# Altium PCB DIOT_8ch_isoSPI1.PcbDoc (part 5 of 5)
Units mm, origin at the board's own origin, x right, y up, seen from the top; angles counter-clockwise.
Board outline 222.37 x 100 mm, 4 copper layers (L1, P2, P3, L4), stack 1.512 mm thick; 416 components, 332 nets, 1541 pads, 695 vias.
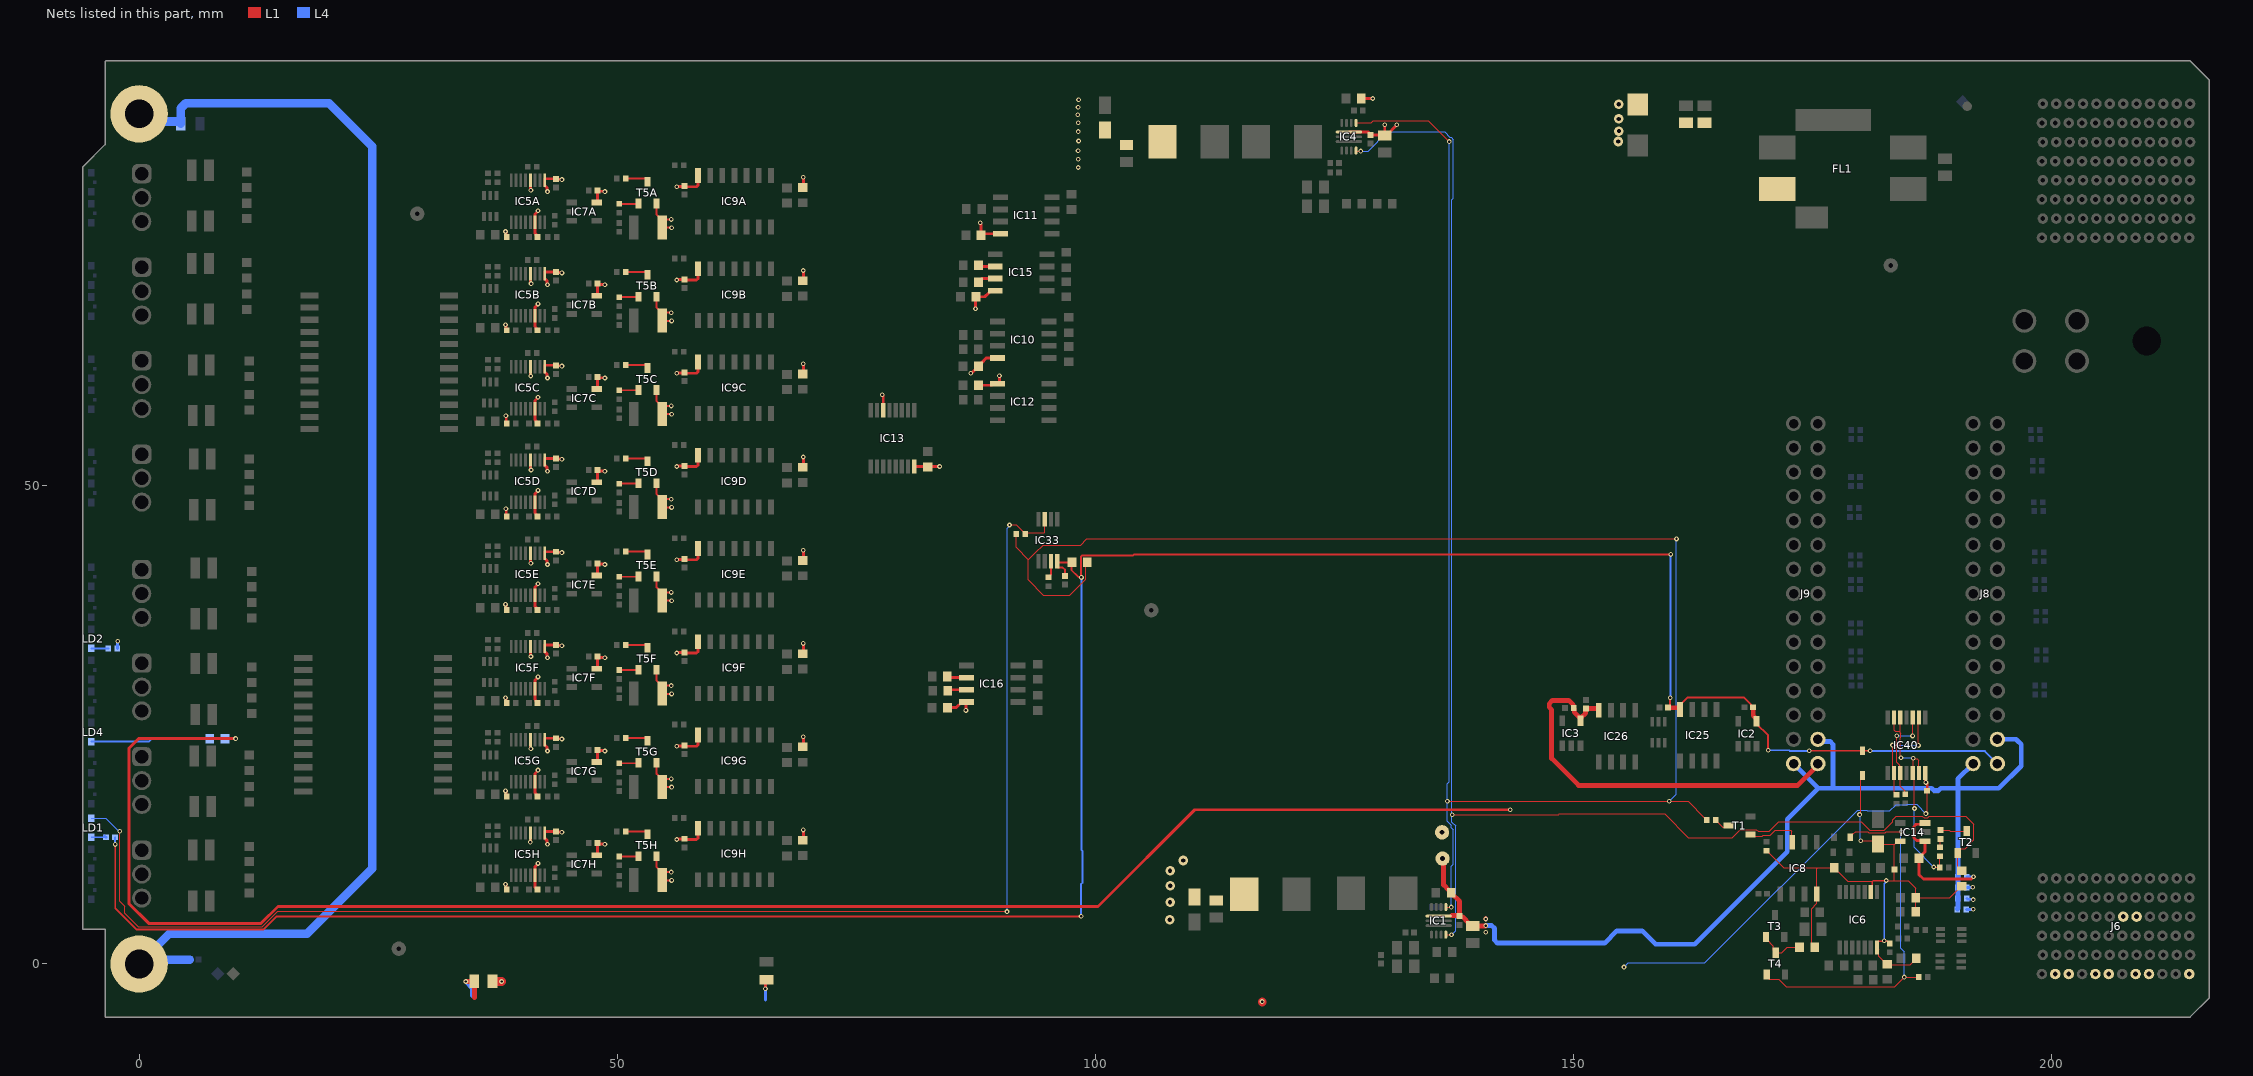
[diagram p7: the nets of this part, all layers, seen from the top]

## Via types
v1: diameter 0.5, hole 0.25, L1 to L4, tented both sides, 669 vias
v2: diameter 1, hole 0.45, L1 to L4, tented both sides, 26 vias

## Nets (pads, with @x,y where several pads share a name; then routed paths per layer and width w, separated by ;. In a path a pad name is that pad's centre, name@x,y a point inside that pad or via, vN(x,y) a via of type N, cw(c..) or ccw(c..) an arc to the next point about the centre after c; other vN are vias at no path point) (continued)
NetIC15_6: IC15.6 R44.2 | length 1.8
  L1 w0.3: R44.2@87.766,73.058 87.881,72.943 IC15.6@89.516,72.943
NetIC15_7: IC15.7 R41.2 | length 1.9
  L1 w0.3: R41.2@87.766,71.308 87.766,71.358 88.081,71.673 IC15.7@89.516,71.673
NetIC16_6: IC16.6 R49.2 | length 2
  L1 w0.3: R49.2@84.516,30.058 84.631,29.943 IC16.6@86.516,29.943
NetIC16_7: IC16.7 R47.2 | length 2
  L1 w0.3: R47.2@84.566,28.558 84.681,28.673 IC16.7@86.516,28.673
NetIC33_3: IC33.3 LD1.1 R188.1 | length 151.9
  L1 w0.125: v1(-2.027,13.871) -2.027,6.547 -1.5,6.02 -1.5,5.323 -0.087,3.91 12.891,3.91 14.48,5.5 90.723,5.5 v1(90.75,5.473) ; v1(91.007,45.907) 91.725,45.907 92.645,44.987 R188.1@92.645,44.967 92.747,45.069 94.618,45.069 94.692,45.142 IC33.3@94.692,46.507
  L4 w0.125: LD1.1@-5,15.25 -3.5,15.25 -2.121,13.871 v1(-2.027,13.871) ; v1(90.75,5.473) 90.75,45.549 91.02,45.818 v1@91.02,45.894
NetIC33_7: IC33.7 R194.2 | length 1.8
  L1 w0.2: R194.2@95.071,40.459 95.091,40.459 95.342,40.71 IC33.7@95.342,42.107
NetLD1_2: LD1.2 R186.1 | length 1.7
  L4 w0.15: LD1.2@-5,13.25 R186.1@-3.47,13.25
  L4 w0.3: R186.1@-3.61,13.39 R186.1@-3.47,13.25
NetLD2_2: LD2.2 R57.1 | length 1.8
  L4 w0.2: LD2.2@-5,33 R57.1@-3.22,33
NetLD4_2: LD4.2 R224.1 | length 12.5
  L4 w0.2: LD4.2@-5,23.25 0.979,23.25 1.3,23.571 R224.1@7.379,23.571
NetR1_1: R1.1 T2.3 | length 2.8
  L1 w0.125: R1.1@188.366,14.008 189.275,14.008 189.382,13.901 T2.3@191.11,13.901
NetR1_2: R1.2 R55.1 | length 0.9
  L1 w0.125: R55.1@188.316,12.205 188.316,13.017 R1.2@188.366,13.068
NetR4_1: R4.1 T3.1 T4.3 | length 4.8
  L1 w0.125: T3.1@170.119,2.812 170.119,2.612 170.883,1.849 170.883,1.438 T4.3@171.145,1.175 171.787,1.175 172.339,1.727 R4.1@173.622,1.727
NetR20A_1: R20A.1 T5A.1 | length 2
  L1 w0.2: R20A.1@50.204,79.49 52.174,79.49 T5A.1@52.204,79.52
NetR20B_1: R20B.1 T5B.1 | length 2
  L1 w0.2: R20B.1@50.204,69.74 52.174,69.74 T5B.1@52.204,69.77
NetR20C_1: R20C.1 T5C.1 | length 2
  L1 w0.2: R20C.1@50.204,59.99 52.174,59.99 T5C.1@52.204,60.02
NetR20D_1: R20D.1 T5D.1 | length 2
  L1 w0.2: R20D.1@50.204,50.24 52.174,50.24 T5D.1@52.204,50.27
NetR20E_1: R20E.1 T5E.1 | length 2
  L1 w0.2: R20E.1@50.204,40.49 52.174,40.49 T5E.1@52.204,40.52
NetR20F_1: R20F.1 T5F.1 | length 2
  L1 w0.2: R20F.1@50.204,30.74 52.174,30.74 T5F.1@52.204,30.77
NetR20G_1: R20G.1 T5G.1 | length 2
  L1 w0.2: R20G.1@50.204,20.99 52.174,20.99 T5G.1@52.204,21.02
NetR20H_1: R20H.1 T5H.1 | length 2
  L1 w0.2: R20H.1@50.204,11.24 52.174,11.24 T5H.1@52.204,11.27
NetR21A_2: R21A.2 T5A.3 | length 2.5
  L1 w0.2: R21A.2@50.888,82.123 52.954,82.123 53.154,81.923 T5A.3@53.154,81.82
NetR21B_2: R21B.2 T5B.3 | length 2.5
  L1 w0.2: R21B.2@50.888,72.373 52.954,72.373 53.154,72.173 T5B.3@53.154,72.07
NetR21C_2: R21C.2 T5C.3 | length 2.5
  L1 w0.2: R21C.2@50.888,62.623 52.954,62.623 53.154,62.423 T5C.3@53.154,62.32
NetR21D_2: R21D.2 T5D.3 | length 2.5
  L1 w0.2: R21D.2@50.888,52.873 52.954,52.873 53.154,52.673 T5D.3@53.154,52.57
NetR21E_2: R21E.2 T5E.3 | length 2.5
  L1 w0.2: R21E.2@50.888,43.123 52.954,43.123 53.154,42.923 T5E.3@53.154,42.82
NetR21F_2: R21F.2 T5F.3 | length 2.5
  L1 w0.2: R21F.2@50.888,33.373 52.954,33.373 53.154,33.173 T5F.3@53.154,33.07
NetR21G_2: R21G.2 T5G.3 | length 2.5
  L1 w0.2: R21G.2@50.888,23.623 52.954,23.623 53.154,23.423 T5G.3@53.154,23.32
NetR21H_2: R21H.2 T5H.3 | length 2.5
  L1 w0.2: R21H.2@50.888,13.873 52.954,13.873 53.154,13.673 T5H.3@53.154,13.57
NetR33_1: R33.1 T1.3 | length 1.7
  L1 w0.125: R33.1@164.859,15.062 164.859,15.042 165.592,14.309 165.923,14.309 166.092,14.478 T1.3@166.211,14.478
P3V3: B4.1 C15A.2 C15B.2 C15C.2 C15D.2 C15E.2 C15F.2 C15G.2 C15H.2 C16A.2 C16B.2 C16C.2 C16D.2 C16E.2 C16F.2 C16G.2 C16H.2 C17A.2 C17B.2 C17C.2 C17D.2 C17E.2 C17F.2 C17G.2 C17H.2 C19.1 C20.1 C21.2 C22.1 C23.2 C24.1 C26A.2 C26B.2 C26C.2 C26D.2 C26E.2 C26F.2 C26G.2 C26H.2 C84.2 C85.1 C298.2 IC5A.6 IC5A.9 IC5A.12 IC5B.6 IC5B.9 IC5B.12 IC5C.6 IC5C.9 IC5C.12 IC5D.6 IC5D.9 IC5D.12 IC5E.6 IC5E.9 IC5E.12 IC5F.6 IC5F.9 IC5F.12 IC5G.6 IC5G.9 IC5G.12 IC5H.6 IC5H.9 IC5H.12 IC7A.5 IC7B.5 IC7C.5 IC7D.5 IC7E.5 IC7F.5 IC7G.5 IC7H.5 IC9A.14 IC9B.14 IC9C.14 IC9D.14 IC9E.14 IC9F.14 IC9G.14 IC9H.14 IC10.8 IC11.8 IC12.1 IC13.6 IC13.16 IC15.8 IC16.8 IC40.14 L3.2 R17A.2 R17B.2 R17C.2 R17D.2 R17E.2 R17F.2 R17G.2 R17H.2 R23A.2 R23B.2 R23C.2 R23D.2 R23E.2 R23F.2 R23G.2 R23H.2 R57.2 | length 184
  L1 w0.125: v1(186.842,15.723) 186.842,15.824 186.977,15.958 C298.2@186.977,18.11
  L1 w0.3: v1(38.306,8.347) 38.344,8.309 38.344,7.88 R17H.2@38.454,7.77 ; v1(38.306,18.097) 38.344,18.059 38.344,17.63 R17G.2@38.454,17.52 ; v1(38.306,27.847) 38.344,27.809 38.344,27.38 R17F.2@38.454,27.27 ; v1(38.306,37.597) 38.344,37.559 38.344,37.13 R17E.2@38.454,37.02 ; v1(38.306,66.847) 38.344,66.809 38.344,66.38 R17B.2@38.454,66.27 ; v1(38.306,76.597) 38.344,76.559 38.344,76.13 R17A.2@38.454,76.02 ; v1(38.348,47.6) 38.387,47.561 38.387,46.837 R17D.2@38.454,46.77 ; v1(38.348,57.328) 38.387,57.29 38.387,56.587 R17C.2@38.454,56.52 ; R17H.2@38.422,7.802 R17H.2@38.454,7.77 ; R17G.2@38.422,17.552 R17G.2@38.454,17.52 ; R17F.2@38.422,27.302 R17F.2@38.454,27.27 ; R17E.2@38.422,37.052 R17E.2@38.454,37.02 ; R17B.2@38.422,66.302 R17B.2@38.454,66.27 ; R17A.2@38.422,76.052 R17A.2@38.454,76.02 ; R17H.2@38.454,7.75 R17H.2@38.454,7.77 ; R17G.2@38.454,17.5 R17G.2@38.454,17.52 ; R17F.2@38.454,27.25 R17F.2@38.454,27.27 ; R17E.2@38.454,37 R17E.2@38.454,37.02 ; R17B.2@38.454,66.25 R17B.2@38.454,66.27 ; R17A.2@38.454,76 R17A.2@38.454,76.02 ; v1(40.906,12.747) IC5H.12@40.906,13.697 ; IC5G.12@40.906,23.447 40.906,22.604 40.959,22.551 v1(40.959,22.497) ; IC5F.12@40.906,33.197 40.906,32.258 40.959,32.205 v1(40.959,32.151) ; IC5E.12@40.906,42.947 40.906,42.008 40.959,41.955 v1(40.959,41.901) ; IC5D.12@40.906,52.697 40.906,51.784 40.985,51.705 v1(40.985,51.651) ; IC5C.12@40.906,62.447 40.906,61.534 v1(40.958,61.482) ; IC5B.12@40.906,72.197 40.906,71.284 40.985,71.205 v1(40.985,71.151) ; IC5A.12@40.906,81.947 40.906,81.008 40.959,80.955 v1(40.959,80.901) ; C26H.2@41.654,7.77 41.406,8.018 IC5H.6@41.406,9.297 41.406,10.168 41.704,10.466 v1(41.704,10.52) ; C26G.2@41.654,17.52 41.494,17.68 41.494,17.809 41.406,17.897 41.406,19.918 41.704,20.216 v1(41.704,20.27) ; C26F.2@41.654,27.27 41.494,27.43 41.494,27.559 41.406,27.647 41.406,29.668 41.704,29.966 v1(41.704,30.02) ; C26E.2@41.654,37.02 41.494,37.18 41.494,37.309 41.406,37.397 41.406,39.418 41.704,39.716 v1(41.704,39.77) ; C26D.2@41.654,46.77 41.494,46.93 41.494,47.059 41.406,47.147 41.406,49.168 41.704,49.466 v1(41.704,49.52) ; C26C.2@41.654,56.52 41.494,56.68 41.494,56.809 41.406,56.897 41.406,58.918 41.704,59.216 v1(41.704,59.27) ; C26B.2@41.654,66.27 41.494,66.43 41.494,66.559 41.406,66.647 41.406,68.668 41.704,68.966 v1(41.704,69.02) ; C26A.2@41.654,76.02 41.494,76.18 41.494,76.309 41.406,76.397 41.406,78.418 41.704,78.716 v1(41.704,78.77) ; v1(42.704,12.52) 42.666,12.558 42.666,12.887 42.406,13.147 IC5H.9@42.406,13.697 42.406,13.855 C15H.2@43.581,13.855 43.628,13.808 44.166,13.808 v1(44.204,13.77) ; v1(42.704,22.27) 42.666,22.308 42.666,22.637 42.406,22.897 IC5G.9@42.406,23.447 42.406,23.605 C15G.2@43.581,23.605 43.628,23.558 44.166,23.558 v1(44.204,23.52) ; v1(42.704,32.02) 42.666,32.058 42.666,32.387 42.406,32.647 IC5F.9@42.406,33.197 42.406,33.355 C15F.2@43.581,33.355 43.628,33.308 44.166,33.308 v1(44.204,33.27) ; v1(42.704,41.77) 42.666,41.808 42.666,42.137 42.406,42.397 IC5E.9@42.406,42.947 42.406,43.105 C15E.2@43.581,43.105 43.628,43.058 44.166,43.058 v1(44.204,43.02) ; v1(42.704,51.52) 42.666,51.558 42.666,51.887 42.406,52.147 IC5D.9@42.406,52.697 42.406,52.855 C15D.2@43.581,52.855 43.628,52.808 44.166,52.808 v1(44.204,52.77) ; v1(42.704,61.27) 42.666,61.308 42.666,61.637 42.406,61.897 IC5C.9@42.406,62.447 42.406,62.605 C15C.2@43.581,62.605 43.628,62.558 44.166,62.558 v1(44.204,62.52) ; v1(42.704,71.02) 42.666,71.058 42.666,71.387 42.406,71.647 IC5B.9@42.406,72.197 42.406,72.355 C15B.2@43.581,72.355 43.628,72.308 44.166,72.308 v1(44.204,72.27) ; v1(42.704,80.77) 42.666,80.808 42.666,81.137 42.406,81.397 IC5A.9@42.406,81.947 42.406,82.105 C15A.2@43.581,82.105 43.628,82.058 44.166,82.058 v1(44.204,82.02) ; IC7H.5@47.832,11.368 47.91,11.446 C16H.2@47.91,12.643 47.995,12.558 48.666,12.558 v1(48.704,12.52) ; IC7G.5@47.832,21.118 47.91,21.196 C16G.2@47.91,22.393 47.995,22.308 48.666,22.308 v1(48.704,22.27) ; IC7F.5@47.832,30.868 47.91,30.946 C16F.2@47.91,32.143 47.995,32.058 48.666,32.058 v1(48.704,32.02) ; IC7E.5@47.832,40.618 47.91,40.696 C16E.2@47.91,41.893 47.995,41.808 48.666,41.808 v1(48.704,41.77) ; IC7D.5@47.832,50.368 47.91,50.446 C16D.2@47.91,51.643 47.995,51.558 48.666,51.558 v1(48.704,51.52) ; IC7C.5@47.832,60.118 47.91,60.196 C16C.2@47.91,61.393 47.995,61.308 48.666,61.308 v1(48.704,61.27) ; IC7B.5@47.832,69.868 47.91,69.946 C16B.2@47.91,71.143 47.995,71.058 48.666,71.058 v1(48.704,71.02) ; IC7A.5@47.832,79.618 47.91,79.696 C16A.2@47.91,80.893 47.995,80.808 48.666,80.808 v1(48.704,80.77) ; v1(56.204,13.02) 56.24,13.056 57.007,13.056 C17H.2@57.043,13.093 57.116,13.02 58.278,13.02 58.454,13.196 58.454,14.186 IC9H.14@58.44,14.2 ; v1(56.204,22.77) 56.24,22.806 57.007,22.806 C17G.2@57.043,22.843 57.116,22.77 58.278,22.77 58.454,22.946 58.454,23.936 IC9G.14@58.44,23.95 ; v1(56.204,32.52) 56.24,32.556 57.007,32.556 C17F.2@57.043,32.593 57.116,32.52 58.278,32.52 58.454,32.696 58.454,33.686 IC9F.14@58.44,33.7 ; v1(56.204,42.27) 56.24,42.306 57.007,42.306 C17E.2@57.043,42.343 57.116,42.27 58.278,42.27 58.454,42.446 58.454,43.436 IC9E.14@58.44,43.45 ; v1(56.204,52.02) 56.24,52.056 57.007,52.056 C17D.2@57.043,52.093 57.116,52.02 58.278,52.02 58.454,52.196 58.454,53.186 IC9D.14@58.44,53.2 ; v1(56.204,61.77) 56.24,61.806 57.007,61.806 C17C.2@57.043,61.843 57.116,61.77 58.278,61.77 58.454,61.946 58.454,62.936 IC9C.14@58.44,62.95 ; v1(56.204,71.52) 56.24,71.556 57.007,71.556 C17B.2@57.043,71.593 57.116,71.52 58.278,71.52 58.454,71.696 58.454,72.686 IC9B.14@58.44,72.7 ; v1(56.204,81.27) 56.24,81.306 57.007,81.306 C17A.2@57.043,81.343 57.116,81.27 58.278,81.27 58.454,81.446 58.454,82.436 IC9A.14@58.44,82.45 ; R23H.2@69.392,12.945 69.454,13.007 v1(69.454,14.02) ; R23G.2@69.392,22.695 69.454,22.757 v1(69.454,23.77) ; R23F.2@69.392,32.445 69.454,32.507 v1(69.454,33.52) ; R23E.2@69.392,42.195 69.454,42.257 v1(69.454,43.27) ; R23D.2@69.392,51.945 69.454,52.007 v1(69.454,53.02) ; R23C.2@69.392,61.695 69.454,61.757 v1(69.454,62.77) ; R23B.2@69.392,71.445 69.454,71.507 v1(69.454,72.52) ; R23A.2@69.392,81.195 69.454,81.257 v1(69.454,82.27) ; v1(77.704,59.52) 77.704,59.466 77.804,59.366 IC13.6@77.804,57.92 ; IC13.16@81.054,52.02 v1(83.704,52.02) ; C23.2@84.516,26.808 85.446,26.808 86.041,27.403 IC16.8@86.516,27.403 86.454,27.341 v1(86.454,26.52) ; v1(86.954,61.77) 86.992,61.808 87.067,61.808 87.729,62.47 87.729,62.545 C21.2@87.754,62.545 ; v1(87.454,68.52) 87.454,69.72 C22.1@87.504,69.77 88.429,69.77 88.891,70.232 88.891,70.253 89.041,70.403 IC15.8@89.516,70.403 ; C20.1@87.754,60.52 89.124,60.52 89.279,60.675 IC12.1@89.754,60.675 89.804,60.675 89.954,60.825 v1(89.954,61.52) ; C21.2@87.754,62.52 C21.2@87.754,62.545 ; v1(87.954,77.52) 87.954,77.466 88.045,77.375 C19.1@88.045,76.196 88.214,76.365 IC11.8@90.054,76.365 ; 88.599,63.365 88.104,62.87 88.079,62.87 C21.2@87.754,62.545 ; IC10.8@89.754,63.365 88.549,63.365 88.337,63.153 88.337,63.128 C21.2@87.754,62.545 ; IC40.14@186.76,19.985 186.804,19.942 186.804,19.029 v1(186.842,18.991) 186.842,18.937 186.977,18.803 C298.2@186.977,18.11
  L4 w0.125: v1(155.27,-0.33) 155.702,0.102 163.728,0.102 179.687,16.061 180.652,16.061 180.71,16.002 183.083,16.002 183.744,16.662 184.861,16.662 184.894,16.696 185.869,16.696 v1(186.842,15.723)
  L4 w0.3: R57.2@-2.255,32.975 R57.2@-2.28,33 -2.265,33.015 -2.265,33.735 v1(-2.25,33.75)
  other v2: 107.772,4.623 107.798,6.452 107.823,8.179 107.798,9.754 109.195,10.82
P3V3_DIOT: C1.2 C10.2 C102.1 D11.2 IC6.2 IC6.14 IC8.8 IC14.5 R2.1 R4.2 R28.2 R30.1 R32.1 R39.1 R40.2 R46.1 | length 64.4
  L1 w0.125: R32.1@170.18,11.849 170.2,11.849 171.991,10.058 175.539,10.058 ; R4.2@175.273,1.676 R4.2@175.222,1.727 174.879,2.07 174.879,5.791 175.412,6.325 IC8.8@175.412,7.333 175.412,9.931 175.539,10.058 ; v1(179.908,15.621) 179.908,15.722 180.026,15.84 180.026,19.518 D11.2@180.213,19.706 ; v1(180.035,12.878) 181.504,12.878 C102.1@181.839,12.543 IC14.5@183.596,12.543 ; 181.229,8.645 178.667,8.645 177.691,9.621 177.641,9.621 177.254,10.008 R39.1@177.254,10.058 175.539,10.058 ; IC6.14@181.731,1.713 181.894,1.55 181.894,0.822 182.728,-0.013 R28.2@182.778,-0.013 182.842,-0.076 183.707,-0.076 183.711,-0.08 185.199,-0.08 185.839,0.56 R46.1@185.839,0.61 ; v1(182.702,8.727) 183.54,8.727 ; IC14.5@184.145,12.842 183.895,12.842 IC14.5@183.596,12.543 ; R30.1@185.763,5.461 185.763,6.909 R2.1@185.788,6.934 ; R40.2@190.602,8.141 190.552,8.141 189.345,6.934 R2.1@185.788,6.934 ; 183.54,8.727 184.998,8.727 185.788,7.938 R2.1@185.788,6.934 ; 183.54,8.727 183.548,8.735 C10.2@183.548,9.881 183.548,12.494 IC14.5@183.596,12.543
  L1 w0.14: IC6.2@181.081,7.513 181.229,7.66 181.229,8.645 181.311,8.727 v1(182.702,8.727) ; IC6.14@181.731,1.713 181.731,2.213 181.886,2.368 182.305,2.368 182.376,2.438 v1(182.474,2.438) 182.571,2.438 182.643,2.366 182.818,2.366 C1.2@183.058,2.126
  L4 w0.125: v1(179.908,15.621) 179.972,15.557 179.972,12.941 v1(180.035,12.878)
  L4 w0.14: v1(182.474,2.438) 182.474,8.401 182.702,8.63 v1(182.702,8.727)
P3V3_MP: C219.2 C245.2 C306.2 D11.1 IC2.4 IC25.8 IC33.8 J8.30 R186.2 R187.2 | length 271.3
  L1 w0.2: v1(-2.5,12.5) -2.5,5.841 -0.28,3.621 13.011,3.621 14.35,4.96 98.46,4.96 v1(98.5,5) ; C245.2@96.823,40.591 96.823,41.201 96.567,41.457 96.117,41.457 95.992,41.582 IC33.8@95.992,42.107 96.103,41.995 R187.2@97.547,41.995 97.547,41.649 97.494,41.595 97.494,41.195 98.211,40.478 98.468,40.478 v1(98.525,40.421) 98.47,40.475 98.47,42.589 98.603,42.722 103.951,42.722 104.053,42.824 v1(160.147,42.824) ; C219.2@159.886,26.797 160.096,27.007 160.096,27.288 v1(160.096,27.838) ; IC25.8@161.138,26.627 161.138,26.747 161.138,27.102 161.917,27.881 167.784,27.881 168.566,27.099 168.566,27.058 C306.2@168.776,26.848 ; IC2.4@169.123,25.379 169.123,25.129 170.346,23.907 v1(170.346,22.345) ; v1(174.65,22.301) 180.208,22.301 D11.1@180.213,22.306 180.218,22.301 v1(181,22.301)
  L1 w0.5: C219.2@159.886,26.797 161.088,26.797 IC25.8@161.138,26.747 ; C306.2@168.776,26.848 168.776,25.972 169.069,25.679 169.073,25.679 169.123,25.629 IC2.4@169.123,25.379
  L4 w0.2: R186.2@-2.53,13.25 -2.515,13.235 v1@-2.515,12.5 ; v1(98.5,5) 98.5,8.364 98.652,8.517 98.652,11.8 98.525,11.927 v1(98.525,40.421) ; v1(160.096,27.838) 160.122,27.864 160.122,42.799 v1(160.147,42.824) ; v1(170.346,22.345) 172.524,22.345 172.618,22.25 v1@174.65,22.25 ; v1@181,22.25 193.013,22.25 J8.30@194.313,20.95
P3V3_MP2: C220.2 C307.2 IC3.4 IC26.8 J9.30 | length 43.4
  L1 w0.5: IC3.4@150.708,25.43 150.708,25.68 150.072,26.316 150.072,26.686 C307.2@150.012,26.746 149.952,26.806 149.952,27.086 149.479,27.559 147.785,27.559 147.443,27.217 147.443,26.852 147.701,26.594 147.701,21.488 150.52,18.669 173.425,18.669 175.543,20.787 J9.30@175.543,20.949 ; IC3.4@150.758,25.73 151.248,26.219 151.248,26.65 C220.2@151.308,26.71 152.579,26.71 152.629,26.66 IC26.8@152.629,26.525
P5V0: C7.2 C9.1 F1A.2 F1B.2 F1C.2 F1D.2 F1E.2 F1F.2 F1G.2 F1H.2 L4.2 T5A.2 T5B.2 T5C.2 T5D.2 T5E.2 T5F.2 T5G.2 T5H.2 | length 38.7
  L1 w0.2: T5H.2@54.104,11.27 54.104,10.12 54.704,9.52 F1H.2@54.704,9.206 ; T5G.2@54.104,21.02 54.104,19.87 54.704,19.27 F1G.2@54.704,18.956 ; T5F.2@54.104,30.77 54.104,29.62 54.704,29.02 F1F.2@54.704,28.706 ; T5E.2@54.104,40.52 54.104,39.37 54.704,38.77 F1E.2@54.704,38.456 ; T5D.2@54.104,50.27 54.104,49.12 54.704,48.52 F1D.2@54.704,48.206 ; T5C.2@54.104,60.02 54.104,58.87 54.704,58.27 F1C.2@54.704,57.956 ; T5B.2@54.104,69.77 54.104,68.62 54.704,68.02 F1B.2@54.704,67.706 ; T5A.2@54.104,79.52 54.104,78.37 54.704,77.77 F1A.2@54.704,77.456 ; v1(55.65,9.606) 55.104,9.606 F1H.2@54.704,9.206 ; v1(55.65,19.356) 55.104,19.356 F1G.2@54.704,18.956 ; v1(55.65,29.106) 55.104,29.106 F1F.2@54.704,28.706 ; v1(55.65,38.856) 55.104,38.856 F1E.2@54.704,38.456 ; v1(55.65,48.606) 55.104,48.606 F1D.2@54.704,48.206 ; v1(55.65,58.356) 55.104,58.356 F1C.2@54.704,57.956 ; v1(55.65,68.106) 55.104,68.106 F1B.2@54.704,67.706 ; v1(55.65,77.856) 55.104,77.856 F1A.2@54.704,77.456 ; v1(55.675,8.743) 54.731,8.743 F1H.2@54.704,8.77 F1H.2@54.704,9.206 ; v1(55.675,18.493) 54.731,18.493 F1G.2@54.704,18.52 F1G.2@54.704,18.956 ; v1(55.675,28.243) 54.731,28.243 F1F.2@54.704,28.27 F1F.2@54.704,28.706 ; v1(55.675,37.993) 54.731,37.993 F1E.2@54.704,38.02 F1E.2@54.704,38.456 ; v1(55.675,47.743) 54.731,47.743 F1D.2@54.704,47.77 F1D.2@54.704,48.206 ; v1(55.675,57.493) 54.731,57.493 F1C.2@54.704,57.52 F1C.2@54.704,57.956 ; v1(55.675,67.243) 54.731,67.243 F1B.2@54.704,67.27 F1B.2@54.704,67.706 ; v1(55.675,76.993) 54.731,76.993 F1A.2@54.704,77.02 F1A.2@54.704,77.456
  other v1: 98.209,83.287 98.209,84.15 98.184,85.039 98.235,86.055 98.209,87.046 98.202,87.975 98.159,88.799 98.184,89.586 98.235,90.373
P12V0: B5.1 C13.2 C14.2 C86.2 C87.2 C262.2 C263.2 D10.1 FL1.2 IC1.1 IC4.1 J8.28 J8.29 J9.28 J9.29 R11.1 R154.1 R224.2 R257.2 R260.2 R261.2 R262.2 | length 297.5
  L1 w0.3: v1(10.084,23.571) -0.041,23.571 -1.083,22.529 -1.083,6.339 1.006,4.25 12.75,4.25 14.5,6 100.25,6 110.379,16.129 v1(143.383,16.129) ; IC4.1@126.5,87 128.538,87 128.59,86.948 128.59,86.86 C13.2@128.75,86.7 130.2,86.7 C14.2@130.25,86.65 ; R11.1@127.8,90.5 v1(129,90.5) ; v1(130.25,87.75) C14.2@130.25,86.65 ; v1(131.5,87.75) 131.5,87.725 130.425,86.65 C14.2@130.25,86.65
  L1 w0.5: B5.1@136.398,11.251 136.398,8.268 136.948,7.718 136.998,7.718 137.198,7.518 137.198,7.418 138.074,6.541 138.074,5.08 137.262,5.08 ; C86.2@138.074,4.997 138.134,4.937 138.388,4.937 138.761,4.563 138.761,4.508 139.296,3.973 C87.2@139.471,3.973 140.778,3.973 v1(140.818,4.013) ; v1(140.818,4.699) v1@140.818,4.75
  L4 w0.3: R224.2@8.979,23.571 v1(10.084,23.571)
  L4 w0.5: v1(140.818,4.013) 141.439,4.013 141.732,3.72 141.732,2.477 142.025,2.184 153.264,2.184 154.534,3.454 157.175,3.454 158.572,2.057 162.662,2.057 172.339,11.735 172.339,15.115 175.588,18.364 ; J9.29@173.003,20.949 175.588,18.364 ; J9.28@175.543,23.489 175.753,23.279 176.821,23.279 177.114,22.986 177.114,18.39 177.089,18.364 ; R260.2@190.132,5.715 190.132,5.735 190.183,5.786 R261.2@190.183,6.859 R262.2@190.183,7.979 R257.2@190.183,9.099 190.183,18.364 ; J8.29@191.773,20.95 190.183,19.36 190.183,18.364 ; J8.28@194.313,23.49 196.271,23.49 196.417,23.344 196.799,22.962 196.799,20.701 194.462,18.364 190.183,18.364 ; 175.588,18.364 177.089,18.364 ; 177.089,18.364 187.429,18.364 187.649,18.144 188.169,18.144 188.39,18.364 190.183,18.364
  other v1: 140.818,3.327
  other v2: 154.661,86.004 154.737,87.097 154.711,88.367 154.711,89.891
P12V0_DIOT: C40.2 IC14.1 IC14.3 J6.A1 J6.D1 J6.E1 J6.G1 J6.H1 J6.J1 J6.K1 R257.1 R260.1 R261.1 R262.1 | length 16.3
  L1 w0.3: IC14.3@186.745,14.742 186.608,14.605 185.826,14.605 185.598,14.376 185.598,13.183 185.877,12.903 186.684,12.903 IC14.1@186.745,12.842 186.745,11.726 186.118,11.099 C40.2@186.118,11.074 186.118,9.335 186.576,8.877 191.58,8.877 v1(191.821,9.119)
  L4 w0.3: R260.1@191.072,5.715 v1(191.795,5.715) ; R261.1@191.123,6.859 191.213,6.769 191.757,6.769 v1(191.795,6.731) ; R262.1@191.123,7.979 191.146,8.003 191.721,8.003 v1(191.745,8.026) ; R257.1@191.123,9.099 191.133,9.109 191.811,9.109 v1(191.821,9.119)
PE_CLK.CLK_N: J6.F4
PE_CLK.CLK_P: J6.E4
PGOOD: IC1.7 IC4.7 R40.1 T2.1 | length 159.9
  L1 w0.125: IC4.7@127.25,85.05 127.3,85 v1(127.75,85) ; IC1.7@136.64,3.063 136.655,3.048 v1(137.236,3.048) ; v1(137.312,15.602) 137.312,15.748 137.458,15.602 148.423,15.602 148.511,15.689 159.52,15.689 162.001,13.208 166.573,13.208 167.408,14.043 169.114,14.043 169.288,13.868 170.434,13.868 171.45,14.884 180.061,14.884 180.975,13.97 182.459,13.97 183.37,14.882 183.37,15.085 183.754,15.469 186.475,15.469 186.66,15.283 187.024,15.283 187.21,15.469 191.008,15.469 191.846,14.63 191.846,12.979 190.93,12.063 190.422,12.063 190.16,11.801 T2.1@190.16,11.601 190.16,10.133 190.552,9.741 R40.1@190.602,9.741
  L4 w0.125: v1(127.75,85) 128.5,85 130.5,87 136.5,87 137.06,86.44 137.182,86.44 137.44,86.182 137.44,86.06 137.44,80.068 137.274,79.903 v1@137.274,15.564 ; v1(137.236,3.048) 137.65,3.462 137.65,14.446 137.274,14.822 v1@137.274,15.564 ; v1(137.312,15.602) v1@137.274,15.564
PSU_EN: IC1.8 IC4.8 R33.2 R187.1 R188.2 | length 230.7
  L1 w0.125: R188.2@91.705,44.967 91.705,43.564 92.98,42.289 ; R187.1@99.147,41.995 98.965,41.813 98.965,40.239 97.307,38.58 94.562,38.58 92.98,40.162 92.98,42.289 ; IC4.8@127.25,87.95 128.828,87.95 129.068,88.19 134.81,88.19 v1(137,86) ; IC1.8@136.64,5.963 136.66,5.944 v1(137.211,5.944) ; v1(136.804,17.018) v1(159.995,17.018) 161.963,17.018 163.671,15.31 163.691,15.31 163.919,15.082 R33.2@163.919,15.062 ; v1(160.757,44.45) 99.107,44.45 98.452,43.795 94.521,43.795 93.773,43.047 93.738,43.047 92.98,42.289
  L4 w0.125: v1(137,86) 137,19.033 136.804,18.837 v1(136.804,17.018) 136.804,14.935 137.211,14.529 137.211,14.233 137.398,14.046 137.398,10.424 137.211,10.236 v1(137.211,5.944) ; v1(159.995,17.018) 160.02,17.018 160.757,17.755 v1(160.757,44.45)
RST: IC8.3 T1.1 | length 5.8
  L1 w0.125: T1.1@168.511,13.528 168.68,13.359 169.721,13.359 169.824,13.462 170.586,13.462 171.094,13.97 172.723,13.97 172.796,13.897 172.796,12.809 IC8.3@172.872,12.733
RSTn: D1.1 R133.1 T4.1 | length 38
  L1 w0.125: T4.1@170.195,-1.125 170.195,-1.325 170.458,-1.587 171.44,-1.587 172.24,-2.388 183.566,-2.388 v1(184.582,-1.372) R133.1@186.093,-1.372 ; D1.1@178.929,13.259 178.929,13.359 179.167,13.596 179.267,13.596 179.488,13.818 180.771,13.818 180.871,13.718 182.578,13.718 182.678,13.818 v1(184.252,13.818)
  L4 w0.125: v1(184.252,13.818) 184.226,13.792 184.226,1.651 184.582,1.295 v1(184.582,-1.372)
SERVMOD_3V3: IC40.5 IC40.6 IC40.12 IC40.13 R55.2 R138.1 | length 23.8
  L1 w0.125: IC40.6@183.51,25.785 183.51,24.439 183.634,24.316 184.091,24.316 184.175,24.232 ; IC40.5@184.16,25.785 184.175,25.77 184.175,24.232 ; v1(184.234,21.565) 184.175,21.623 184.175,23.635 184.234,23.694 184.234,24.058 184.175,24.117 184.175,24.232 ; v1(185.649,16.256) 185.623,16.282 185.623,19.823 IC40.12@185.46,19.985 185.522,20.047 v1(185.522,21.514) 185.593,21.442 185.933,21.442 186.11,21.264 IC40.13@186.11,19.985 ; v1(187.655,10.135) 188.277,10.135 R138.1@188.303,10.109 ; R138.1@188.29,10.122 188.29,11.239 R55.2@188.316,11.265
  L4 w0.125: v1(184.234,21.565) 184.259,21.539 185.496,21.539 v1(185.522,21.514) ; v1(185.649,16.256) 185.598,16.205 185.598,12.192 v1(187.655,10.135)
STRIP1: C212.1 M3.1 M4.1 R120.2 R126.1 | length 144.6
  L1 w0.5: v1(34.163,-1.829) 35.019,-1.829 35.052,-1.862 35.052,-3.505
  L4 w0.5: v1(34.163,-1.829) 34.849,-2.515 34.849,-3.302
  L4 w0.9: M4.1@-0.976,0.976 M4.1@0,0 M4.1@0.45,0.45 ; M3.1@-0.976,87.924 M3.1@0,88.9 0.8,88.1 4.323,88.1 4.348,88.075 R126.1@4.348,87.85 4.348,89.49 4.875,90.018 19.863,90.018 24.359,85.522 24.359,9.957 17.577,3.175 3.175,3.175 M4.1@0.45,0.45 ; C212.1@5.298,0.45 M4.1@0.45,0.45
STRIP2: R119.1 | length 2.2
  L1 w0.3: v1(65.481,-2.591) 65.481,-1.763 R119.1@65.583,-1.661
  L4 w0.3: v1(65.481,-2.591) 65.507,-2.616 65.507,-3.759
STRIP3: R120.1 | length 1
  L1 w0.9: R120.1@36.948,-1.8 36.977,-1.829 v1(37.897,-1.829) ; v1@117.424,-4.013 v1(117.424,-3.937)
Switch_I2C.SCL: IC40.2 IC40.9 R77.2 | length 11
  L1 w0.125: v1(183.355,22.885) 183.355,20.141 IC40.9@183.51,19.985 183.51,17.944 183.738,17.717 R77.2@183.744,17.717 ; v1(186.055,22.86) 186.055,25.73 IC40.2@186.11,25.785
  L4 w0.125: v1(183.355,22.885) 183.368,22.873 186.042,22.873 v1(186.055,22.86)
Switch_I2C.SDA: IC40.3 IC40.10 R3.2 | length 10.2
  L1 w0.125: v1(183.794,23.876) 183.794,21.107 184.099,20.803 184.099,20.047 IC40.10@184.16,19.985 184.16,18.597 184.633,18.125 184.633,17.691 R3.2@184.683,17.742 ; v1(185.445,23.851) 185.445,25.77 IC40.3@185.46,25.785
  L4 w0.125: v1(183.794,23.876) 183.807,23.863 185.433,23.863 v1(185.445,23.851)
pads on no net: D3A.4 D3A.5 D3A.6 D3B.4 D3B.5 D3B.6 D3C.4 D3C.5 D3C.6 D3D.4 D3D.5 D3D.6 D3E.4 D3E.5 D3E.6 D3F.4 D3F.5 D3F.6 D3G.4 D3G.5 D3G.6 D3H.4 D3H.5 D3H.6 D5.5 D6.4 D6.5 D8.5 FTG1.FTG2 FTG2.1 FTG3.1 FTG4.1 IC2.5 IC3.5 IC11.1 IC11.2 IC11.7 IC12.3 IC12.5 IC12.6 IC14.4 IC25.7 IC26.7 J6.B1 J6.G3 J6.H3 J6.I2 J6.J3 J6.K3 J6.L2 J7.A3 J7.A5 J7.A7 J7.A8 J7.B2 J7.B3 J7.B4 J7.B5 J7.B6 J7.B7 J7.B8 J7.C2 J7.C4 J7.C6 J7.C8 J7.D3 J7.D5 J7.D7 J7.D8 J7.E2 J7.E3 J7.E4 J7.E5 J7.E6 J7.E7 J7.E8 J7.F2 J7.F4 J7.F6 J7.F8 J7.G3 J7.G5 J7.G7 J7.H2 J7.H3 J7.H4 J7.H5 J7.H6 J7.H7 J7.H8 J7.I2 J7.I4 J7.I6 J7.I8 J7.J3 J7.J5 J7.J7 J7.K2 J7.K3 J7.K4 J7.K5 J7.K6 J7.K7 J7.K8 J7.L2 J7.L4 J7.L6 J7.L8 J10.5 LD1.3 LD2.3 LD3.3 LD4.3 LD5.3 LD6.3 LD7.3 LD8.3 LD9.3 LD10.3 LD11.3 LD12.3 LD13.3 LD14.3 LD15.3 LD16.3 LD17.3 LD18.3 LD19.3 TR2.1 TR2.4 TR2.7 TR2.10 TR3.1 TR3.4 TR3.7 TR3.10

## Polygon pours and split planes (outlines as drawn)
P5V0 on L1 "tgr" (solid, pour order 261): 98.5,91.5 107.25,91.5 109.25,89.5 109.25,83.75 108.25,82.75 97.75,82.75 97.75,90.75
GND on L1 "GND_L01_P237" (solid, remove dead copper, pour order 237): 132.715,4.521 138.506,4.521 139.37,3.658 140.487,3.658 140.868,3.277 140.868,0.584 138.379,-1.905 132.461,-1.905 132.461,4.191 132.766,4.496
GND on L1 "GND_L01_P256" (solid, remove dead copper, pour order 256): 122.75,78 132.5,78 133.25,78.75 133.25,85.25 132,86.5 125.25,86.5 125,86.25 125,82.5 124.7,82.2 124.61,82.29 123.19,82.29 122.75,81.85
5V0 on L1 "5V0_L01_P255" (solid, remove dead copper, pour order 255): 123,78.25 123.25,78.5 123,78.75 123,82 123.29,82.29 125,82.29 125,85.5 119.75,85.5 119.25,86 119.25,88.5 118.75,89 109.75,89 109,88.25 109,82 112.75,78.25
no net on L1 "NONET_L01_P252" (solid, pour order 252): 234.399,96.306 450.399,96.306 451.399,95.306 451.399,0.306 450.399,-0.694 449.399,0.306 241.399,0.306 241.399,5.306 233.399,5.306 233.399,8.306 231.399,8.306 231.399,85.306 234.399,88.306
P3V3 on L1 "P3V3_L01_P241" (solid, pour order 241): 107.544,1.575 115.494,1.575 117.627,3.708 117.627,9.754 115.748,11.633 108.407,11.633 106.883,10.109 106.883,2.235 107.518,1.6
3V3 on L1 "3V3_L01_P239" (solid, pour order 239): 124.638,11.405 128.016,11.405 128.422,10.998 128.422,7.925 132.537,3.81 132.537,-1.575 131.445,-2.667 122.301,-2.667 119.583,0.051 119.583,10.592 120.472,11.481 122.809,11.481 123.596,10.693 123.596,2.057 124.536,1.118 130.023,1.118 130.023,1.753 129.946,1.829 125.552,1.829 124.054,3.327 124.054,10.795 124.612,11.354
P12V0 on L1 "P12V0_L01_P251" (solid, remove dead copper, pour order 251): 170.028,78.41 166.649,78.41 161.011,84.049 154.915,84.049 154,84.963 154,88.976 154,90.678 155.118,91.796 164.617,91.796 165.887,90.526 165.887,84.912 168.453,82.347 168.859,82.347
GND on L1 "GND_L01_P245" (solid, pour order 245): 167.462,87.249 167.462,83.718 168.123,83.058 174.346,83.058 175.26,83.972 175.26,86.69 174.295,87.655 167.869,87.655
P12V0 on L1 "P12V0_L01_P246" (solid, remove dead copper, pour order 246): 167.564,82.55 167.564,79.019 168.224,78.359 174.447,78.359 175.362,79.273 175.362,81.991 174.396,82.956 167.97,82.956
NetC264_2 on L1 "NETC264_2_L01_P244" (solid, pour order 244): 181.407,82.601 181.407,79.07 182.067,78.41 188.29,78.41 190.119,80.239 190.119,83.007 181.813,83.007
NetC264_1 on L1 "NETC264_1_L01_P243" (solid, pour order 243): 181.254,87.478 181.254,83.947 181.915,83.287 190.195,83.287 190.195,85.776 188.087,87.884 181.661,87.884
STRIP1 on L1 "esd1" (solid, pour order 171): -2.752,1.525 4.373,1.525 4.373,-3 36.998,-3 36.998,-4.5 -2.752,-4.5
STRIP2 on L1 "esd1" (solid, pour order 173): 79.931,-4.55 96.998,-4.55 96.998,-3.281 41.998,-3.281 41.998,-4.55
STRIP3 on L1 "STRIP3_L01_P172" (solid, pour order 172): 214.531,-4.55 214.548,-4.55 215.788,-3.31 116.998,-3.31 116.998,-4.55
P12V0 on L4 "L4-P12V0" (solid, pour order 258): 128.025,87.725 128.5,87.25 138.5,87.25 140.081,87.25 140.081,4.928 140.005,4.851 140.081,4.775 140.081,2.286 141.986,0.381 163.728,0.381 179.502,16.154 187.579,16.154 189.179,14.554 189.179,5.766 189.789,5.156 190.957,5.207 190.957,13.665 197.764,20.472 197.764,23.47 196.469,24.765 174.193,24.765 165.481,16.053 165.481,9.119 161.595,5.232 145.999,5.232 145.999,75.921 154.102,84.023 155.981,84.023 155.981,91.364 141.114,91.364 141,91.25 128.5,91.25 128.025,90.775
P5V0 on L4 "L4-P5V0" (solid, pour order 260): 56.75,84.5 60.5,88.25 92.25,88.25 98.75,81.75 105.75,81.75 109.25,85.25 109.25,89.5 107.25,91.5 53.75,91.5 53.75,7.75 56.75,7.75
no net on L4 "NONET_L04_P253" (solid, pour order 253): 228.226,93.313 444.226,93.313 445.226,92.313 445.226,-2.687 444.226,-3.687 443.226,-2.687 235.226,-2.687 235.226,2.313 227.226,2.313 227.226,5.313 225.226,5.313 225.226,82.313 228.226,85.313
GND on L4 "GND_L04_P234" (solid, remove dead copper, pour order 234): 202.187,47.676 202.187,41.751 219.962,41.751 219.962,47.676
NetC264_1 on L4 "NETC264_1_L04_P248" (solid, pour order 248): 181.61,83.388 189.027,83.388 189.814,82.601 189.814,78.588 200.406,67.996 200.406,62.306 201.828,60.884 204.775,60.884 206.248,62.357 206.248,67.005 197.002,76.251 197.002,82.398 191.795,87.605 181.762,87.605 181.178,87.02 181.178,83.668 181.254,83.668 181.483,83.439
NetC264_2 on L4 "NETC264_2_L04_P247" (solid, pour order 247): 181.483,83.134 188.29,83.134 189.357,82.067 189.357,78.207 200.05,67.513 200.05,62.357 198.806,61.112 196.494,61.112 195.859,61.747 195.859,67.31 184.861,78.308 182.524,78.308 181.229,79.604 181.229,82.88 181.508,83.16
STRIP3 on L4 "STRIP3_L04_P175" (solid, pour order 175): 214.531,-4.55 214.548,-4.55 215.788,-3.31 116.998,-3.31 116.998,-4.55
STRIP2 on L4 "esd1" (solid, pour order 176): 79.931,-4.55 96.998,-4.55 96.998,-3.281 41.998,-3.281 41.998,-4.55
STRIP1 on L4 "esd1" (solid, pour order 147): -2.752,0.94 4.373,0.94 4.373,-3 36.998,-3 36.998,-4.5 -2.752,-4.5
P3V3 on P3 (split plane): 151.102,29.134 151.102,21.539 151.112,21.49 151.14,21.448 157.198,15.39 157.198,-4.948 -2.968,-4.948 -2.968,3.65 -2.976,3.744 -2.998,3.836 -3.034,3.923 -3.083,4.004 -3.144,4.076 -3.216,4.137 -3.297,4.186 -3.384,4.222 -3.476,4.244 -3.57,4.252 -5.298,4.252 -5.298,83.101 -3.144,85.254 -3.083,85.326 -3.034,85.407 -2.998,85.494 -2.98,85.568 -2.976,85.586 -2.968,85.68 -2.968,93.848 151.102,93.848
P12V0_DIOT on P3 (split plane): 193.143,9.802 193.143,1.194 193.152,1.129 193.177,1.068 193.217,1.015 193.598,0.634 193.651,0.594 193.711,0.569 193.777,0.561 215.867,0.561 215.867,-3.301 214.22,-4.948 191.743,-4.948 191.743,3.454 191.734,3.52 191.709,3.58 191.686,3.61 191.669,3.633 190.752,4.549 190.752,9.192 191.722,10.162 192.783,10.162
GND on P3 (split plane): 215.867,92.201 215.867,1.065 193.881,1.065 193.648,1.298 193.648,9.906 193.639,9.971 193.614,10.032 193.574,10.084 193.066,10.592 193.014,10.632 192.953,10.658 192.888,10.666 191.618,10.666 191.552,10.658 191.492,10.632 191.439,10.592 190.322,9.475 190.282,9.422 190.256,9.362 190.248,9.296 190.248,4.445 190.256,4.38 190.282,4.319 190.322,4.267 191.238,3.35 191.238,-4.948 157.457,-4.948 157.457,15.443 157.447,15.493 157.419,15.535 151.361,21.593 151.361,29.134 151.361,93.848 214.22,93.848
GND on P2 (split plane): 215.867,92.201 215.867,-3.301 214.22,-4.948 119.226,-4.948 119.226,-3.48 119.217,-3.415 119.192,-3.354 119.152,-3.301 118.568,-2.717 118.515,-2.677 118.455,-2.652 118.389,-2.643 39.347,-2.643 39.038,-2.334 39.038,-1.321 39.029,-1.256 39.004,-1.195 38.964,-1.142 38.278,-0.457 38.226,-0.417 38.165,-0.391 38.1,-0.383 36.474,-0.383 36.409,-0.391 36.348,-0.417 36.296,-0.457 35.559,-1.193 35.519,-1.246 35.494,-1.306 35.486,-1.372 35.486,-4.948 -2.968,-4.948 -2.968,3.65 -2.976,3.744 -2.998,3.836 -3.034,3.923 -3.083,4.004 -3.144,4.076 -3.216,4.137 -3.297,4.186 -3.384,4.222 -3.476,4.244 -3.57,4.252 -5.298,4.252 -5.298,83.101 -3.144,85.254 -3.083,85.326 -3.034,85.407 -2.998,85.494 -2.98,85.568 -2.976,85.586 -2.968,85.68 -2.968,93.848 214.22,93.848
STRIP3 on P2 (split plane): 38.534,-1.425 38.534,-2.438 38.542,-2.504 38.567,-2.564 38.607,-2.617 39.065,-3.074 39.087,-3.091 39.117,-3.114 39.178,-3.139 39.243,-3.148 118.285,-3.148 118.721,-3.584 118.721,-4.948 35.99,-4.948 35.99,-1.476 36.579,-0.887 37.996,-0.887

## Keep-outs
Keep-Out Layer:
  drawing of 8316 lines, arcs and shapes, not listed

## Other copper
L1:
  rectangle net GND: 202.667,42.723 216.154,46.203
  rectangle net GND: 175.92,85.7 178.486,90.881
  rectangle net P12V0: 140.487,2.921 141.173,5.105
L4:
  rectangle net NetC25H_2: 44.704,7.02 45.954,8.52
  rectangle net NetC25G_2: 44.704,16.77 45.954,18.27
  rectangle net NetC25F_2: 44.704,26.52 45.954,28.02
  rectangle net NetC25E_2: 44.704,36.27 45.954,37.77
  rectangle net NetC25D_2: 44.704,46.02 45.954,47.52
  rectangle net NetC25C_2: 44.704,55.77 45.954,57.27
  rectangle net NetC25B_2: 44.704,65.52 45.954,67.02
  rectangle net NetC25A_2: 44.704,75.27 45.954,76.77
  rectangle net P12V0: 140.487,2.921 141.173,5.08
P2 (plane layer: these items are gaps in the copper):
  lines w0.5: 35.738,-5.41 35.738,-1.372 36.474,-0.635 38.1,-0.635 38.786,-1.321 38.786,-2.438 39.243,-2.896 118.389,-2.896 118.974,-3.48 118.974,-5.334
P3 (plane layer: these items are gaps in the copper):
  lines w0.254: 151.232,94.412 151.232,29.134 151.232,21.539 157.328,15.443 157.328,-5.486 170.891,-5.486
  lines w0.5: 191.491,-5.563 191.491,3.454 190.5,4.445 190.5,9.296 191.618,10.414 192.888,10.414 193.396,9.906 193.396,1.194 193.777,0.813 216.179,0.813

## Silkscreen, mask and mechanical layers (free items; w line width, h text height)
TopOverlay:
  text "WUT ISE 2025" at 118.161,70.485 h1.02
  text "DI/OT 8CH Iso SPI" at 110.947,63.322 h1.5
  text "EEM 0" at 190.119,62.205 h1
  text "EEM 1" at 172.713,62.173 h1
  text "v1.0" at 119.659,60.274 h1.5
  text "P3V3" at 130.2,13.183 h1
  text "P12V0" at 130.124,11.506 h1
BottomOverlay:
  text "WUT ISE 2025" at 129.667,70.434 h1.02
  text "DI/OT 8CH Iso SPI" at 134.906,63.228 h1.5
  text "v1.0" at 124.829,60.174 h1.5
  text "OVT" at -0.508,33.731 h1
  text "P12V0" at 0.94,24.028 h1
  text "PWR" at -0.254,14.004 h1
TopSolder:
  rectangle: -2.379,-4.947 -0.202,-3.15
  rectangle: -0.202,-4.947 1.975,-3.175
  rectangle: 1.448,-4.947 216.417,-3.15
  region: 202.467,46.205 202.467,42.705 216.43,42.705 216.43,46.205
BottomSolder:
  rectangle: -2.379,-4.947 -0.202,-3.15
  rectangle: -0.202,-4.947 1.975,-3.175
  rectangle: 1.367,-4.947 216.417,-3.15
  region: 202.467,46.205 202.467,42.705 216.43,42.705 216.43,46.205
Mechanical 1:
  the board outline again, w0.05
Mechanical 2:
  lines w0.1: -6.114,-19.788 -6.114,102.894
Mechanical 13:
  lines w0.01: -6.352,-6.334 -6.352,75.374
Drill Drawing:
  drawing of 307 lines, arcs and shapes, not listed
  text "Layer" at 52.738,176.276 h1.52
  text "Name" at 63.149,176.276 h1.52
  text "Material" at 85.241,176.276 h1.52
  text "Thickness" at 107.079,176.276 h1.52
  text "Constant" at 123.585,176.276 h1.52
  text "Gerber" at 138.06,176.276 h1.52
  text "Board Layer Stack" at 149.995,176.276 h1.52
  text "TopOverlay" at 63.149,173.228 h1.52
  text "GTO" at 138.06,173.228 h1.52
  text "TopSolder" at 63.149,170.18 h1.52
  text "Solder Resist" at 85.241,170.18 h1.52
  text "0,025mm" at 107.079,170.18 h1.52
  text "3.7" at 123.585,170.18 h1.52
  text "GTS" at 138.06,170.18 h1.52
  text "1" at 52.738,167.132 h1.52
  text "L1" at 63.149,167.132 h1.52
  text "0,035mm" at 107.079,167.132 h1.52
  text "GTL" at 138.06,167.132 h1.52
  text "Dielectric1" at 63.149,164.084 h1.52
  text "FR-4" at 85.241,164.084 h1.52
  text "0,138mm" at 107.079,164.084 h1.52
  text "4.3" at 123.585,164.084 h1.52
  text "2" at 52.738,161.036 h1.52
  text "P2" at 63.149,161.036 h1.52
  text "0,018mm" at 107.079,161.036 h1.52
  text "GP1" at 138.06,161.036 h1.52
  text "Dielectric3" at 63.149,157.988 h1.52
  text "FR-4" at 85.241,157.988 h1.52
  text "1,130mm" at 107.079,157.988 h1.52
  text "4.6" at 123.585,157.988 h1.52
  text "3" at 52.738,154.94 h1.52
  text "P3" at 63.149,154.94 h1.52
  text "0,018mm" at 107.079,154.94 h1.52
  text "GP2" at 138.06,154.94 h1.52
  text "Dielectric5" at 63.149,151.892 h1.52
  text "FR-4" at 85.241,151.892 h1.52
  text "0,138mm" at 107.079,151.892 h1.52
  text "4.3" at 123.585,151.892 h1.52
  text "4" at 52.738,148.844 h1.52
  text "L4" at 63.149,148.844 h1.52
  text "0,035mm" at 107.079,148.844 h1.52
  text "GBL" at 138.06,148.844 h1.52
  text "BottomSolder" at 63.149,145.796 h1.52
  text "Solder Resist" at 85.241,145.796 h1.52
  text "0,025mm" at 107.079,145.796 h1.52
  text "3.7" at 123.585,145.796 h1.52
  text "GBS" at 138.06,145.796 h1.52
  text "BottomOverlay" at 63.149,142.748 h1.52
  text "GBO" at 138.06,142.748 h1.52

## Text inside footprints (layer, text, board x,y; h text height)
J6: TopOverlay "6" at 194.419,8.6 h1 r90; TopOverlay "5" at 194.419,6.6 h1 r90; TopOverlay "4" at 194.419,4.6 h1 r90; TopOverlay "3" at 194.419,2.6 h1 r90; TopOverlay "2" at 194.419,0.6 h1 r90; TopOverlay "1" at 194.419,-1.4 h1 r90; TopOverlay "L" at 199.469,-3.25 h1 r90; TopOverlay "K" at 200.869,-3.25 h1 r90; TopOverlay "J" at 202.269,-3.25 h1 r90; TopOverlay "I" at 203.669,-3 h1 r90; TopOverlay "H" at 205.069,-3.25 h1 r90; TopOverlay "G" at 206.469,-3.25 h1 r90; TopOverlay "F" at 207.869,-3.25 h1 r90; TopOverlay "E" at 209.269,-3.25 h1 r90; TopOverlay "D" at 210.669,-3.25 h1 r90; TopOverlay "C" at 212.069,-4.25 h1 r90; TopOverlay "B" at 213.469,-4.25 h1 r90; TopOverlay "A" at 214.869,-4.25 h1 r90; Drill Drawing "Diam. 0.5mm +/-0.05" at 215.119,12.95 h1 r180; Drill Drawing "PRESS-FIT TECHNOLOGY" at 215.119,11.45 h1 r180; Mechanical 14 "6" at 194.419,8.6 h1 r90; Mechanical 14 "5" at 194.419,6.6 h1 r90; Mechanical 14 "4" at 194.419,4.6 h1 r90; Mechanical 14 "3" at 194.419,2.6 h1 r90; Mechanical 14 "2" at 194.419,0.6 h1 r90; Mechanical 14 "1" at 194.419,-1.4 h1 r90; Mechanical 14 "L" at 199.469,-3.25 h1 r90; Mechanical 14 "K" at 200.869,-3.25 h1 r90; Mechanical 14 "J" at 202.269,-3.25 h1 r90; Mechanical 14 "I" at 203.669,-3 h1 r90; Mechanical 14 "H" at 205.069,-3.25 h1 r90; Mechanical 14 "G" at 206.469,-3.25 h1 r90; Mechanical 14 "F" at 207.869,-3.25 h1 r90; Mechanical 14 "E" at 209.269,-3.25 h1 r90; Mechanical 14 "D" at 210.669,-3.25 h1 r90; Mechanical 14 "C" at 212.069,-4.25 h1 r90; Mechanical 14 "B" at 213.469,-4.25 h1 r90; Mechanical 14 "A" at 214.869,-4.25 h1 r90; Mechanical 8 "Edge of Daugher Card" at 217.219,0.725 h0.5 r90; Mechanical 8 "Top Surface of Mother Board" at 228.719,-0.425 h0.5 r90
J7: TopOverlay "A" at 214.869,72.75 h1 r90; TopOverlay "B" at 213.469,72.75 h1 r90; TopOverlay "C" at 212.069,72.75 h1 r90; TopOverlay "D" at 210.669,73.75 h1 r90; TopOverlay "E" at 209.269,73.75 h1 r90; TopOverlay "F" at 207.869,73.75 h1 r90; TopOverlay "G" at 206.469,73.75 h1 r90; TopOverlay "H" at 205.069,73.75 h1 r90; TopOverlay "I" at 203.669,74 h1 r90; TopOverlay "J" at 202.269,73.75 h1 r90; TopOverlay "K" at 200.869,73.75 h1 r90; TopOverlay "L" at 199.469,73.75 h1 r90; TopOverlay "1" at 194.419,75.6 h1 r90; TopOverlay "2" at 194.419,77.6 h1 r90; TopOverlay "3" at 194.419,79.6 h1 r90; TopOverlay "4" at 194.419,81.6 h1 r90; TopOverlay "5" at 194.419,83.6 h1 r90; TopOverlay "6" at 194.419,85.6 h1 r90; TopOverlay "8" at 194.419,89.6 h1 r90; TopOverlay "7" at 194.419,87.6 h1 r90; Drill Drawing "PRESS-FIT TECHNOLOGY" at 215.119,92.45 h1 r180; Drill Drawing "Diam. 0.5mm +/-0.05" at 215.119,93.95 h1 r180; Mechanical 14 "A" at 214.869,72.75 h1 r90; Mechanical 14 "B" at 213.469,72.75 h1 r90; Mechanical 14 "C" at 212.069,72.75 h1 r90; Mechanical 14 "D" at 210.669,73.75 h1 r90; Mechanical 14 "E" at 209.269,73.75 h1 r90; Mechanical 14 "F" at 207.869,73.75 h1 r90; Mechanical 14 "G" at 206.469,73.75 h1 r90; Mechanical 14 "H" at 205.069,73.75 h1 r90; Mechanical 14 "I" at 203.669,74 h1 r90; Mechanical 14 "J" at 202.269,73.75 h1 r90; Mechanical 14 "K" at 200.869,73.75 h1 r90; Mechanical 14 "L" at 199.469,73.75 h1 r90; Mechanical 14 "1" at 194.419,75.6 h1 r90; Mechanical 14 "2" at 194.419,77.6 h1 r90; Mechanical 14 "3" at 194.419,79.6 h1 r90; Mechanical 14 "4" at 194.419,81.6 h1 r90; Mechanical 14 "5" at 194.419,83.6 h1 r90; Mechanical 14 "6" at 194.419,85.6 h1 r90; Mechanical 14 "8" at 194.419,89.6 h1 r90; Mechanical 14 "7" at 194.419,87.6 h1 r90; Mechanical 8 "Top Surface of Mother Board" at 228.719,78.575 h0.5 r90; Mechanical 8 "Edge of Daugher Card" at 217.219,79.725 h0.5 r90
J8: TopOverlay "30" at 195.71,21.585 h1.02 r270; Mechanical 14 "30" at 195.71,21.585 h1.02 r270
J9: TopOverlay "30" at 176.94,21.584 h1.02 r270; Mechanical 14 "30" at 176.94,21.584 h1.02 r270
J10: TopOverlay "1" at 201.681,69.626 h1.2 r270; Mechanical 14 "1" at 201.681,69.626 h1.2 r270